# Altium PCB NIXIEClock_PCB_V3.2.PcbDoc (part 3 of 3)
Units mil, origin at the board's own origin, x right, y up, seen from the top; angles counter-clockwise.
Board outline 9842.52 x 2952.76 mil, 2 copper layers (Top Layer, Bottom Layer); 233 components, 344 nets, 1063 pads, 410 vias.
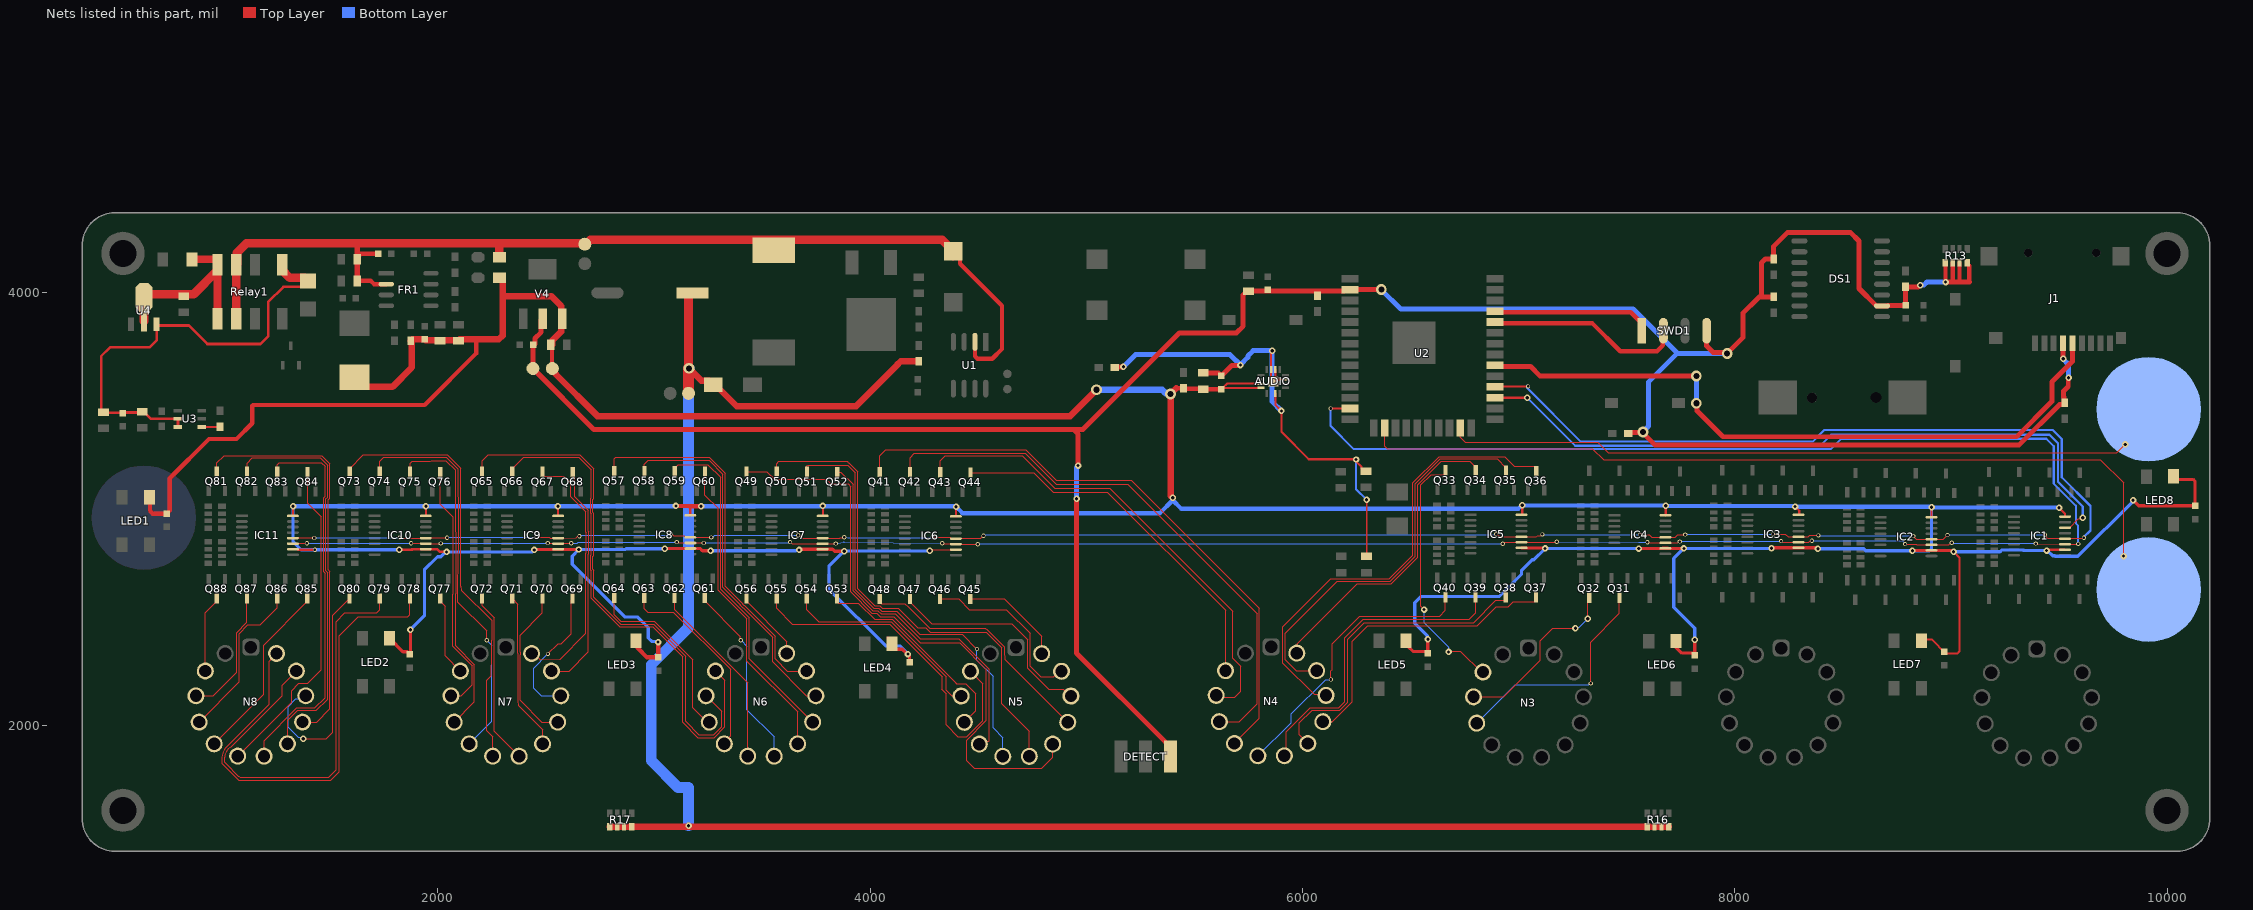
[diagram p3: the nets of this part, all layers, seen from the top]

## Via types
v1: diameter 30, hole 15, Top Layer to Bottom Layer, tented both sides, 238 vias
v2: diameter 19.68, hole 11.81, Top Layer to Bottom Layer, tented both sides, 157 vias
v3: diameter 50, hole 28, Top Layer to Bottom Layer, tented both sides, 10 vias
v4: diameter 30, hole 15, Top Layer to Bottom Layer, 3 vias
v5: diameter 70.87, hole 70.87, Top Layer to Bottom Layer, tented both sides, 1 vias
v6: diameter 62.99, hole 62.99, Top Layer to Bottom Layer, tented both sides, 1 vias

## Nets (pads, with @x,y where several pads share a name; then routed paths per layer and width w, separated by ;. In a path a pad name is that pad's centre, name@x,y a point inside that pad or via, vN(x,y) a via of type N, cw(c..) or ccw(c..) an arc to the next point about the centre after c; other vN are vias at no path point) (continued)
Q_30: N3.5 Q31.3 | length 1054.9
  Top Layer w5: v2(7333.87,2192.96) 7333.87,2383.89 7466.72,2516.75 Q31.3@7466.72,2589.33
  Bottom Layer w5: N3.5@6806.29,2009.54 6983.85,2187.1 7324.04,2187.1 7329.89,2192.96 v2(7333.87,2192.96)
Q_31: N3.4 Q32.3 | length 835.7
  Top Layer w5: N3.4@6785.96,2131.13 6930.93,2131.13 7101.23,2301.44 7101.23,2390.55 7158.92,2448.25 v1(7263.11,2448.25) ; v1(7319.92,2492.4) 7319.92,2582.14 Q32.3@7327.11,2589.33
  Bottom Layer w5: v1(7263.11,2448.25) 7267.9,2453.03 7280.56,2453.03 v1(7319.92,2492.4)
Q_32: N3.3 Q33.3 | length 1170.9
  Top Layer w5: v1(6562.64,2534.8) 6548.07,2549.37 6548.07,3111.29 6594.79,3158 6654.34,3158 6661.68,3165.35 Q33.3@6661.68,3179.12 ; v1(6676.22,2338.59) 6680.71,2343.07 6731.17,2343.07 6828.59,2245.66 N3.3@6829.4,2245.66
  Bottom Layer w5: v1(6562.64,2534.8) 6562.64,2475 6676.22,2361.41 v1(6676.22,2338.59)
Q_33: N4.13 Q34.3 | length 1441.4
  Top Layer w5: N4.13@5973.92,2333.45 5976.38,2335.9 5976.38,2377.39 6253.58,2654.6 6384.71,2654.6 6411.17,2654.6 6532.8,2776.22 6532.8,2802.69 6532.8,3111.57 6642.17,3220.94 6773.49,3220.94 6801.53,3192.9 Q34.3@6801.53,3179.12
Q_34: N4.12 Q35.3 | length 1871
  Top Layer w5: N4.12@6065.6,2252.23 5971.42,2252.23 5920.24,2303.41 5920.24,2425.92 6159.92,2665.6 6380.15,2665.6 6406.62,2665.6 6521.8,2780.78 6521.8,2807.24 6521.8,3116.13 6637.62,3231.94 6900.95,3231.94 6941.37,3191.53 Q35.3@6941.37,3177.75
Q_35: N4.11 Q36.3 | length 2159.9
  Top Layer w5: N4.11@6109.04,2137.7 6104.29,2142.45 6054.16,2142.45 5909.24,2287.36 5909.24,2455.08 6130.76,2676.6 6402.06,2676.6 6510.8,2785.33 6510.8,3120.69 6633.06,3242.94 6934.9,3242.94 6980.36,3197.49 7073.87,3197.49 7081.21,3190.15 Q36.3@7081.21,3176.37
Q_36: N4.10 Q37.3 | length 1397.1
  Top Layer w5: N4.10@6094.27,2016.1 6094.45,2016.27 6138.21,2016.27 6230,2108.06 6230,2388.71 6301.29,2460 6808.19,2460 6895.5,2547.31 6952.72,2547.31 6976.13,2570.72 7073.03,2570.72 7080.37,2578.06 Q37.3@7080.37,2591.84
Q_37: N4.9 Q38.3 | length 1482.4
  Top Layer w5: N4.9@6024.69,1915.3 5985.39,1954.6 5985.39,2011.05 6044.34,2070 6172.3,2070 6209.16,2106.85 6209.16,2397.64 6286.52,2475 6791.82,2475 6894.25,2577.43 6933.41,2577.43 6940.76,2584.77 Q38.3@6940.76,2591.84
Q_38: N4.8 Q39.3 | length 1464.6
  Top Layer w5: N4.8@5916.23,1858.38 5925.66,1867.81 5925.66,1969.8 6036.85,2081 6167.75,2081 6195.02,2108.27 6195.02,2404.79 6281.29,2491.06 6772.77,2491.06 6801.14,2519.43 Q39.3@6801.14,2591.84
Q_39: N4.7 Q40.3 | length 1324
  Top Layer w5: v2(6131.86,2211.31) 6131.86,2251.3 6137,2256.43 6137,2376.09 6265.91,2505 6635.25,2505 6661.53,2531.28 Q40.3@6661.53,2591.84
  Bottom Layer w5: N4.7@5793.75,1858.39 5947.33,2011.97 5947.33,2051.91 6106.73,2211.31 v2(6131.86,2211.31)
Q_40: N4.6 Q41.3 | length 2821.9
  Top Layer w5: Q41.3@4044.67,3171.2 4044.67,3247.33 4072.34,3275 4719.56,3275 4860.65,3133.92 5208.67,3133.92 5801,2541.59 5801,2031.01 N4.6@5685.3,1915.31
Q_41: N4.5 Q42.3 | length 2613.3
  Top Layer w5: Q42.3@4184.51,3171.2 4184.51,3238.23 4203.94,3257.65 4717.35,3257.65 4861.08,3113.92 5191.08,3113.92 5790,2515 5790,2098.11 5708.01,2016.11 N4.5@5615.72,2016.11
Q_42: N4.4 Q43.3 | length 2226.6
  Top Layer w5: Q43.3@4324.36,3169.82 4324.36,3222.58 4348.43,3246.65 4703.35,3246.65 4855.02,3094.98 5108.42,3094.98 5676.8,2526.6 5676.8,2309.86 5714.77,2271.89 5714.77,2157.27 5687.67,2130.17 5608.49,2130.17 N4.4@5600.96,2137.7
Q_43: N4.3 Q44.3 | length 1722.8
  Top Layer w5: Q44.3@4464.2,3168.44 4756.58,3168.44 4846.58,3078.44 5096.56,3078.44 5644.4,2530.6 N4.3@5644.4,2252.23
Q_44: N5.13 Q45.3 | length 482.3
  Top Layer w5: Q45.3@4463.36,2583.92 4620.54,2583.92 4793.92,2410.53 N5.13@4793.92,2330.66
Q_45: N5.12 Q46.3 | length 811.4
  Top Layer w5: Q46.3@4323.74,2583.92 4409.77,2583.92 4458.69,2535 4630,2535 4739.8,2425.2 4739.8,2272.28 4788.5,2223.58 4849.33,2223.58 4875.2,2249.44 N5.12@4885.6,2249.44
Q_46: N5.11 Q47.3 | length 1016.3
  Top Layer w5: Q47.3@4184.13,2583.92 4184.13,2570.14 4284.27,2470 4655,2470 4728.8,2396.2 4728.8,2264.13 4827.02,2165.91 4893.75,2165.91 4924.74,2134.92 N5.11@4929.04,2134.92
Q_47: N5.10 Q48.3 | length 1146.6
  Top Layer w5: Q48.3@4044.52,2583.92 4044.52,2570.14 4051.86,2562.79 4161.18,2562.79 4165.79,2558.19 4165.79,2556.77 4170.77,2551.79 4172.18,2551.79 4275.98,2448 4533.31,2448 4540.99,2441.79 4621,2361.78 4621.32,2339.79 ccw(c4655.31,2340.29) 4621.33,2339.61 4622.01,2305.58 4623.42,2304.17 N5.10@4914.27,2013.31
Q_48: N5.9 Q49.3 | length 2729.1
  Top Layer w5: Q49.3@3428.25,3173.33 3522.61,3173.33 3557.87,3138.07 3795.28,3138.07 3817.3,3116.05 3897.67,3116.05 3909.93,3103.79 3909.93,2616.74 4007.87,2518.79 4017.48,2518.79 4031.28,2518.79 4047.54,2502.54 4109.81,2502.54 4231.76,2380.59 4413.91,2380.59 4537.78,2256.72 4537.78,2021.68 4446.71,1930.61 4446.71,1835.05 4481.76,1800 4793.72,1800 4844.69,1850.97 N5.9@4844.69,1912.51
Q_49: N5.8 Q50.3 | length 2311.6
  Top Layer w5: Q50.3@3568.09,3173.33 3568.09,3210.55 3577.55,3220 3893.51,3220 3899.43,3214.08 3900.85,3214.08 3943.12,3171.8 3943.12,2630.21 4021.54,2551.79 4044.95,2551.79 4055.87,2540.88 4129.56,2540.88 4220.43,2450 4258.42,2450 4277.63,2430.79 4536.43,2430.79 4610,2357.22 4610,2098.42 4736.23,1972.19 N5.8@4736.23,1855.6
Q_50: N5.7 Q51.3 | length 2051.6
  Top Layer w5: Q51.3@3707.94,3171.95 3707.94,3200.15 3710.86,3203.08 3896.29,3203.08 3932.12,3167.24 3932.12,2625.66 4016.99,2540.79 4040.4,2540.79 4054.86,2526.33 4122.59,2526.33 4229.13,2419.79 4426.95,2419.79 v2(4494.32,2352.41) ; N5.7@4613.75,1855.6 N5.7@4613.75,1875.31
  Bottom Layer w5: v2(4494.32,2352.41) 4494.32,2300.18 4568.77,2225.73 4568.77,1987.57 4614,1942.34 4614,1855.85 N5.7@4613.75,1855.6
Q_51: N5.6 Q52.3 | length 1754.8
  Top Layer w5: Q52.3@3847.78,3170.58 3865.12,3170.58 3921.12,3114.58 3921.12,2621.1 4012.43,2529.79 4022.04,2529.79 4035.84,2529.79 4051.13,2514.5 4117.15,2514.5 4231.37,2400.28 4409.78,2400.28 4552.17,2257.89 4552.17,1927.8 4549.24,1924.87 4517.64,1924.87 N5.6@4505.3,1912.53
Q_52: N5.5 Q53.3 | length 987.6
  Top Layer w5: Q53.3@3846.93,2586.05 3846.93,2572.27 3854.28,2564.93 3946.18,2564.93 4021.11,2490 4103.33,2490 4399.58,2193.75 4399.58,2192.53 4442.5,2192.53 4488.67,2146.36 4488.67,2066.28 N5.5@4435.72,2013.33
Q_53: N5.4 Q54.3 | length 967.2
  Top Layer w5: Q54.3@3707.32,2586.05 3707.32,2535.01 3763.33,2479 4096.88,2479 4351.14,2224.74 4351.14,2161.84 4377.02,2135.96 4419.92,2135.96 N5.4@4420.96,2134.92
Q_54: N5.3 Q55.3 | length 1650
  Top Layer w5: Q55.3@3567.7,2586.05 3567.7,2540.88 3640.58,2468 4090.32,2468 4333.59,2224.74 4333.59,2168.82 4330.68,2165.91 4351.14,2145.45 4351.14,2002.23 4406.31,1947.06 4447.6,1947.06 4521.31,2020.77 4521.31,2192.53 N5.3@4464.4,2249.44
Q_55: N6.13 Q56.3 | length 331.4
  Top Layer w5: Q56.3@3428.09,2586.05 3428.09,2572.27 3613.92,2386.44 N6.13@3613.92,2331.59
Q_56: N6.12 Q57.3 | length 1729.6
  Top Layer w5: Q57.3@2816.15,3176.26 2816.15,3232.66 2823.49,3240 3256.4,3240 3329.84,3166.56 3329.84,2641.64 3409.75,2561.73 3409.75,2558.91 3414.73,2553.93 3417.56,2553.93 3560.04,2411.45 3560.04,2306.18 3615.84,2250.37 N6.12@3705.6,2250.37
Q_57: N6.11 Q58.3 | length 1658.2
  Top Layer w5: Q58.3@2955.99,3176.26 2955.99,3207.38 2973.23,3224.63 3256.22,3224.63 3318.84,3162 3318.84,2637.08 3398.75,2557.18 3398.75,2554.35 3410.17,2542.93 3413,2542.93 3549.04,2406.89 3549.04,2292.87 3705.1,2136.81 3748.08,2136.81 N6.11@3749.04,2135.85
Q_58: N6.10 Q59.3 | length 1566.4
  Top Layer w5: Q59.3@3095.83,3174.88 3095.83,3188.66 3112.8,3205.63 3249.04,3205.63 3307.84,3146.82 3307.84,2629.7 3441.32,2496.22 3441.32,2307.2 N6.10@3734.27,2014.24
Q_59: N6.9 Q60.3 | length 1437.8
  Top Layer w5: Q60.3@3235.68,3173.5 3235.68,3064.31 3296.55,3003.44 3296.55,2625.22 3430,2491.78 3430,2296.05 3664.69,2061.36 N6.9@3664.69,1913.44
Q_60: N6.8 Q61.3 | length 866.1
  Top Layer w5: Q61.3@3234.83,2588.98 3234.83,2575.2 3399.82,2410.2 3399.82,2395.04 v2(3402,2392.86)
  Bottom Layer w5: v2(3402,2392.86) 3402.83,2392.86 3430,2365.69 3430,2071.64 3556.23,1945.4 N6.8@3556.23,1856.53
Q_61: N6.7 Q62.3 | length 872.7
  Top Layer w5: Q62.3@3095.22,2588.98 3095.22,2533.61 3433.17,2195.65 3433.17,1948.41 3433.75,1947.83 N6.7@3433.75,1856.53
Q_62: N6.6 Q63.3 | length 922.3
  Top Layer w5: Q63.3@2955.6,2588.98 2955.6,2538.86 2971.16,2523.3 3089.34,2523.3 3354.77,2257.87 3354.77,1950.27 3325.3,1920.8 N6.6@3325.3,1913.46
Q_63: N6.5 Q64.3 | length 852.8
  Top Layer w5: Q64.3@2815.99,2588.98 2815.99,2511.26 2847.25,2480 3001.2,2480 3178.7,2302.5 3178.7,2081.44 3245.88,2014.26 N6.5@3255.72,2014.26
Q_64: N6.4 Q65.3 | length 2423.7
  Top Layer w5: 2204.8,3222.39 2233.41,3251 2656.25,3251 2721,3186.25 2721,3048.56 2717.74,3045.3 2717.74,2985.33 2721,2982.07 2721,2784.38 2717.74,2781.12 2717.74,2721.15 2721,2717.89 2721,2590.7 2845.7,2466 2999.64,2466 3146.5,2319.14 3146.5,2017.7 3208.21,1956 3275.66,1956 3312.42,1992.77 3312.42,2064.39 N6.4@3240.96,2135.85 ; Q65.3@2204.83,3173.33 2204.83,3222.36
Q_65: N6.3 Q66.3 | length 2385
  Top Layer w5: Q66.3@2344.68,3173.33 2344.68,3187.11 2397.57,3240 2651.7,3240 2710,3181.7 2710,3053.11 2706.74,3049.85 2706.74,2980.77 2710,2977.51 2710,2788.94 2706.74,2785.68 2706.74,2716.6 2710,2713.34 2710,2586.14 2841.14,2455 2995.08,2455 3132.62,2317.46 3132.62,2013.67 3203.38,1942.91 3278.84,1942.91 3327.67,1991.75 3327.67,2207.1 N6.3@3284.4,2250.37
Q_66: N7.13 Q67.3 | length 1196.5
  Top Layer w5: N7.13@2433.92,2331.59 2444.06,2331.59 2471.12,2304.53 2472.58,2303.07 2474.73,2303.07 2565.78,2305.78 2684.74,2424.74 2684.74,2794.79 2687,2797.05 2687,2890.68 2684.74,2892.94 2684.74,2986.57 2614.36,3056.95 2614.36,3118.08 2581.61,3150.83 2491.86,3150.83 2484.52,3158.17 Q67.3@2484.52,3171.95
Q_67: N7.12 Q68.3 | length 1070.1
  Top Layer w5: N7.12@2525.6,2250.37 2607.51,2250.37 2695.74,2338.6 2695.74,2790.24 2698,2792.49 2698,2895.24 2695.74,2897.5 2695.74,2995.42 2634.21,3056.95 2634.21,3146.95 2624.36,3156.79 Q68.3@2624.36,3170.57
Q_68: N7.11 Q69.3 | length 637.8
  Top Layer w5: v2(2509.5,2329.54) 2557.29,2377.33 2571.2,2377.33 2616.17,2422.3 2616.17,2578.7 Q69.3@2623.52,2586.05
  Bottom Layer w5: v2(2509.5,2329.54) 2443.8,2263.84 2443.8,2170.33 2478.28,2135.85 N7.11@2569.04,2135.85
Q_69: N7.10 Q70.3 | length 729.7
  Top Layer w5: Q70.3@2483.9,2586.05 2483.9,2520.18 2380.5,2416.77 2380.5,2336.84 ccw(c2433.92,2331.59) 2380.5,2326.35 2380.5,2114.5 2480.76,2014.24 N7.10@2554.27,2014.24
Q_70: N7.9 Q71.3 | length 730.3
  Top Layer w5: Q71.3@2344.29,2586.05 2370,2560.34 2370,2556.19 2369.5,2421.33 2369.24,2331.78 ccw(c2433.92,2331.59) 2369.24,2331.52 2369.5,2109.94 2371.46,2092.88 2484.69,1979.65 N7.9@2484.69,1913.44
Q_71: N7.8 Q72.3 | length 800.6
  Top Layer w5: Q72.3@2204.67,2586.05 2204.67,2553.33 2261.32,2496.68 2261.32,1971.44 N7.8@2376.23,1856.53
Q_72: N7.7 Q73.3 | length 1991.5
  Top Layer w5: Q73.3@1592.04,3173.33 1592.04,3187.11 1655.93,3251 2043.37,3251 2106.43,3187.94 2106.43,2643.44 2106.44,2643.24 2107.89,2625.21 2248.56,2484.55 2250,2483.1 2250.32,2393.43 cw(c2226.17,2393.35) 2250.32,2393.35 2250.32,2385.12 2249.75,2331.03 cw(c2196.08,2331.59) 2249.74,2330.21 2247.1,2228.02 2225.83,2206.74 2225.83,1974.15 2253.75,1946.22 N7.7@2253.75,1856.53
Q_73: N7.6 Q74.3 | length 1819.7
  Top Layer w5: Q74.3@1731.88,3173.33 1731.88,3220.96 1750.93,3240 2038.81,3240 2091.95,3186.86 2095.43,2925.52 2095.43,2796.93 2093.24,2598.82 2093.24,2569.65 2226.5,2436.39 2226.5,2409.05 v2(2226.17,2393.35)
  Bottom Layer w5: N7.6@2145.3,1913.46 2250,2018.16 2250,2369.85 2226.5,2393.35 v2(2226.17,2393.35)
Q_74: N7.5 Q75.3 | length 1513
  Top Layer w5: Q75.3@1871.73,3171.95 1871.73,3211.57 1881.11,3220.96 1965.95,3220.96 1969.46,3224.46 2035.86,3224.46 2079.52,3180.81 2080.95,3179.37 2082.24,2607.49 2082.24,2367.46 2169.49,2280.21 2169.49,2108.03 N7.5@2075.72,2014.26
Q_75: N7.4 Q76.3 | length 1163.4
  Top Layer w5: Q76.3@2011.57,3170.57 2011.57,3021.38 2068.56,2964.39 2069.95,2963 2069.95,2606.6 2069.95,2364.19 2158.49,2275.65 2158.49,2186.51 2107.83,2135.85 N7.4@2060.96,2135.85
Q_76: N7.3 Q77.3 | length 374.5
  Top Layer w5: Q77.3@2010.73,2586.05 2010.73,2572.27 2033.35,2549.64 2033.35,2321.42 N7.3@2104.4,2250.37
Q_77: N8.13 Q78.3 | length 2274.1
  Top Layer w5: N8.13@1253.92,2331.74 1219.06,2296.88 1219.06,2095.69 1029.1,1905.73 1028.95,1905.57 ccw(c1081.34,1843.07) 999.78,1843.07 999.78,1825.27 1001.25,1823.81 1080.06,1745 1505.6,1745 1544.64,1784.04 1544.64,2413.82 1632.62,2501.8 1861.73,2501.8 1871.11,2511.18 Q78.3@1871.11,2586.05
Q_78: N8.12 Q79.3 | length 2076.5
  Top Layer w5: N8.12@1345.6,2250.52 1279.53,2184.44 1279.53,2136.98 1043.7,1901.16 ccw(c1083.18,1842.72) 1013.29,1852.15 1013.29,1829.33 1019,1823.62 1077.89,1764.73 1078.4,1764.28 1079.22,1763.66 1085.73,1760 1495.32,1760 1529.35,1794.03 1529.35,2477.94 1570.57,2519.16 1717.08,2519.16 1731.5,2533.58 Q79.3@1731.5,2586.05
Q_79: N8.11 Q80.3 | length 1106.3
  Top Layer w5: N8.11@1372.32,2135.99 N8.11@1389.04,2135.99 ; v4(1377,1937.4) 1484.26,1937.4 1514.72,1967.87 1514.72,2508.88 Q80.3@1591.88,2586.05
  Bottom Layer w5: v4(1377,1937.4) 1370.24,1937.4 1363.47,1944.17 1353.59,1944.17 1307.62,1990.15 1307.62,2085.87 1343.63,2121.88 1374.93,2121.88 N8.11@1389.04,2135.99
Q_80: N8.10 Q81.3 | length 1885.4
  Top Layer w5: Q81.3@977.65,3173.33 977.65,3213.29 1011.96,3247.6 1462.42,3247.6 1501,3209.02 1501,3049.73 1493.63,3042.37 1493.63,2718.22 1501,2710.86 1501,2075.02 1440.37,2014.38 N8.10@1374.27,2014.38
Q_81: N8.9 Q82.3 | length 1857.7
  Top Layer w5: Q82.3@1117.5,3173.33 1117.5,3211.57 1142.53,3236.6 1456.01,3236.6 1490,3202.6 1490,3054.29 1482.63,3046.93 1482.63,2713.66 1490,2706.3 1490,2120.5 1438.5,2069 1352,2069 1304.69,2021.69 N8.9@1304.69,1913.59
Q_82: N8.8 Q83.3 | length 1779.2
  Top Layer w5: N8.8@1196.23,1856.67 1196.23,1928.79 1347.44,2080 1431.26,2080 1479,2127.74 1479,2701.74 1471.63,2709.11 1471.63,3051.48 1479,3058.85 1479,3197.11 1461.04,3215.07 1372.6,3215.07 1371.99,3214.46 1266.57,3214.46 1257.34,3205.24 Q83.3@1257.34,3171.95
Q_83: N8.7 Q84.3 | length 1524
  Top Layer w5: N8.7@1073.75,1856.67 1323.24,2106.16 1323.24,2160 1356.2,2192.96 1397.31,2192.96 1460,2255.65 1460,2964.17 1397.18,3026.99 Q84.3@1397.18,3170.58
Q_84: N8.6 Q85.3 | length 851
  Top Layer w5: N8.6@965.3,1913.6 1194.35,2142.65 1194.35,2370.28 1396.34,2572.27 Q85.3@1396.34,2586.05
Q_85: N8.5 Q86.3 | length 754.4
  Top Layer w5: N8.5@895.72,2014.4 1081.25,2199.93 1081.25,2424.09 1121.04,2463.87 1177.8,2463.87 1256.73,2542.8 Q86.3@1256.73,2586.05
Q_86: N8.4 Q87.3 | length 594.4
  Top Layer w5: N8.4@880.96,2135.99 960.4,2135.99 1070.25,2245.84 1070.25,2428.64 1117.11,2475.5 Q87.3@1117.11,2586.05
Q_87: N8.3 Q88.3 | length 357.5
  Top Layer w5: N8.3@924.4,2250.52 924.4,2519.16 977.5,2572.27 Q88.3@977.5,2586.05
Q_ALL: R7.1 U3.1 | length 85.4
  Top Layer w10: U3.1@908,3380.1 992.1,3380.1 R7.1@993,3381
RXD: SWD1.2 U2.34 | length 906.3
  Top Layer w20: U2.34@6890,3860 7340,3860 7470,3730 7640,3730 7667.6,3757.6 7667.6,3817.6 SWD1.2@7670,3820
SCLK: J1.5 U2.30 | length 3180.3
  Top Layer w23: U2.30@6890,3660 7055,3660 7100,3615 v3(7822.28,3615) ; v3(7822.28,3489.41) 7825.51,3486.18 7825.51,3454.49 7945.68,3334.32 9303.96,3334.32 9467.46,3497.82 9467.46,3588.36 9562.24,3683.15 J1.5@9562.24,3766.61
  Bottom Layer w23: v3(7822.28,3489.41) v3(7822.28,3615)
SIN: IC1.14 U2.27 | length 3227.3
  Top Layer w5: IC1.14@9527.98,2914.09 9549.64,2914.09 9589.89,2954.34 9605.03,2954.34 v1(9609.82,2959.12)
  Top Layer w10: U2.27@6890,3515 v1(7039.52,3515)
  Bottom Layer w10: v1(7039.52,3515) 7261.58,3292.94 8395.76,3292.94 8446.23,3343.41 9455.94,3343.41 9495.15,3304.2 9495.15,3126.22 9609.82,3011.55 v1(9609.82,2959.12)
TGND: AUDIO.2 AUDIO.3 AUDIO.11 AUDIO.15 AUDIO.17 C31.2 C32.2 C33.2 C34.2 R0.2 | length 2676.6
  Top Layer w6: C34.2@6296.79,2780.85 v1(6296.79,3042.92)
  Top Layer w10: v1@5855.16,3722.46 AUDIO.3@5855.16,3646.1 5855.16,3599.84 AUDIO.17@5865,3590 AUDIO.17@5874.84,3599.84 ; AUDIO.11@5874.84,3533.9 5874.84,3481.75 v1(5902.78,3453.81) 5902.78,3356.93 6029.47,3230.25 6246.8,3230.25 6246.8,3221.5 6273.36,3194.93 6273.36,3187.43 6285.86,3174.93 C33.2@6293.36,3174.93 ; AUDIO.2@5874.84,3646.1 AUDIO.17@5874.84,3599.84 ; AUDIO.15@5921.1,3599.84 AUDIO.17@5874.84,3599.84
  Top Layer w23: R0.2@5131.02,3655.19 5132.74,3656.91 5170.71,3656.91 v1(5172.05,3658.25) ; C32.2@5541.19,3629.89 5610.7,3629.89 C31.2@5625,3615.59 5674.07,3664.66 5711.85,3664.66 v1(5713.19,3666)
  Bottom Layer w10: v1(6247.83,3229.08) 6247.83,3091.88 v1(6296.79,3042.92)
  Bottom Layer w23: v1(5172.05,3658.25) 5227.9,3714.11 5665.08,3714.11 v1(5713.19,3666) 5713.19,3667.89 5747.06,3701.76 5747.06,3707.84 5771.93,3732.72 v1(5860,3732.72) 5860,3496.59 v1(5902.78,3453.81)
TOUCH1: 1.P U2.23 | length 3165.4
  Top Layer w5: U2.23@6730.35,3375.63 6731.04,3374.95 6731.04,3331.69 6754.32,3308.41 7367.02,3308.41 7415.42,3260 9767.4,3260 v1(9806.4,3299)
TOUCH2: 2.P U2.16 | length 3911.6
  Top Layer w5: U2.16@6380.35,3375.63 6380.35,3290.81 6391.77,3279.39 7341.41,3279.39 7392.8,3228 9690.96,3228 9798.57,3120.39 v1(9798.57,2782.43)
TUBE_RCK: IC1.12 IC2.12 IC3.12 IC4.12 IC5.12 IC6.12 IC7.12 IC8.12 IC9.12 IC10.12 IC11.12 U2.28 | length 11690.8
  Top Layer w5: IC11.12@1329.66,2865.53 1330.18,2866.05 v2(1428.64,2866.05) ; v2(1823.16,2867.6) 1825.28,2865.48 1878.81,2865.48 1878.98,2865.32 IC10.12@1943.84,2865.32 ; IC10.12@1943.94,2865.43 1945.08,2866.57 2041.92,2866.57 v2(2042.95,2867.6) ; v2(2456.96,2870.06) 2515.42,2870.06 2519.95,2865.53 IC9.12@2556.84,2865.53 2578.49,2865.53 2640.92,2866.79 2648.5,2874.37 v2(2655.26,2874.37) ; v2(3077.66,2883.25) 3084.42,2883.25 3091.13,2876.54 3140.17,2876.54 3148.25,2868.46 IC8.12@3168.16,2868.46 3168.26,2868.56 3265.14,2868.56 v2(3265.24,2868.66) ; v2(3667.3,2878.33) 3673.47,2878.33 3686.3,2865.5 IC7.12@3780.23,2865.5 ; IC7.12@3780.26,2865.53 3860.1,2865.53 3862.6,2868.03 3878.12,2868.03 v2(3879.95,2869.86) ; v2(4288.07,2869.66) 4368.69,2869.66 4374.95,2863.4 IC6.12@4396.68,2863.4 4416.32,2863.4 4416.32,2863.71 4510.81,2865.22 4521.36,2875.77 v2(4524.42,2875.77) ; v2(6895.74,2884.12) 6901.97,2884.12 6914.76,2871.32 7014.3,2871.32 7014.3,2870.72 7018.44,2870.72 7080.81,2871.79 7082.26,2871.79 7087.97,2877.5 7105.49,2877.5 v2(7110.27,2882.28) ; v2(7561.32,2881.61) 7605.57,2881.61 7617.08,2870.1 7675.78,2869.46 7679.27,2869.46 IC4.12@7679.93,2869.46 ; IC4.12@7679.27,2868.81 7723.74,2868.81 7736.54,2881.61 v2(7771.27,2881.61) ; v2(8176.58,2884.36) 8234.35,2884.36 8246.58,2872.14 8272.87,2871.57 8340.55,2871.57 8346.93,2877.96 v2(8386.88,2877.96) ; v2(8825.59,2874.64) 8825.59,2874.11 8839.18,2860.52 8909.14,2860.52 IC2.12@8910.17,2859.49 8964,2859.49 v2(8984.17,2879.66) ; v2(9435.06,2880.9) 9435.06,2876.93 9442.9,2869.09 9442.9,2867.75 9446.44,2864.21 9526.68,2864.21 IC1.12@9527.98,2862.91 9529.29,2864.21 9611.96,2864.21 v2(9615.14,2867.39)
  Top Layer w10: U2.28@6890,3565 6892.07,3567.07 v2(7044.02,3567.07)
  Bottom Layer w5: v2@1429.16,2866.57 1429.42,2866.83 1822.39,2866.83 v2(1823.16,2867.6) ; v2(2042.95,2867.6) 2044.18,2868.83 2455.73,2868.83 v2(2456.96,2870.06) ; v2(2655.26,2874.37) 2659.71,2878.81 3073.22,2878.81 v2(3077.66,2883.25) ; v2(3265.24,2868.66) 3271,2868.66 3280.67,2878.33 v2(3667.3,2878.33) ; v2(3879.95,2869.86) 3895.65,2867.6 3899.79,2867.6 4286.01,2867.6 v2(4288.07,2869.66) ; v2(4524.42,2875.77) 4528.59,2879.95 6891.57,2879.95 v2(6895.74,2884.12) ; v2(7110.27,2882.28) 7110.61,2881.95 7560.98,2881.95 v2(7561.32,2881.61) ; v2(7771.27,2881.61) 7772.65,2882.99 8175.2,2882.99 v2(8176.58,2884.36) ; v2(8386.88,2877.96) 8388.54,2876.3 8823.93,2876.3 v2(8825.59,2874.64) ; v2(8984.17,2879.66) 8984.79,2880.28 9434.44,2880.28 v2(9435.06,2880.9)
  Bottom Layer w10: v2@7039.52,3570 7038.9,3569.38 7038.9,3561.1 7288.08,3311.92 8360.45,3311.92 8414.46,3365.93 9470.96,3365.93 9512.91,3323.99 9512.91,3146.95 9645.67,3014.18 9645.67,2901 9615.14,2870.47 v2(9615.14,2867.39)
TUBE_SCK: IC1.11 IC2.11 IC3.11 IC4.11 IC5.11 IC6.11 IC7.11 IC8.11 IC9.11 IC10.11 IC11.11 U2.13 | length 12398.4
  Top Layer w5: IC11.11@1329.66,2839.94 1330.24,2840.51 1393.21,2840.51 v2@1393.79,2841.08 ; v2(1876.19,2841.33) 1896.03,2841.08 1942.9,2841.08 IC10.11@1944.05,2839.94 1944.41,2840.3 2013.39,2840.3 v2(2013.75,2840.66) ; v2(2508.89,2842.44) 2510.14,2841.19 2555.59,2841.19 IC9.11@2556.84,2839.94 2557.82,2840.92 2616.85,2840.92 v2(2617.83,2841.91) ; v2(3105.22,2847.18) 3109.19,2847.18 3113.5,2842.87 v2(3229.72,2842.87) ; v2(3629.81,2846.86) 3633.79,2846.86 3640.71,2839.94 IC7.11@3780.26,2839.94 ; IC7.11@3780.29,2839.98 v2(3841,2840.01) ; v2(4333.59,2841.37) 4335.85,2839.11 4395.38,2839.11 4396.86,2837.63 4497.82,2837.63 v2(4498,2837.44) ; v2(6926.55,2839.83) 6930.52,2839.83 6936.43,2845.73 IC5.11@7013.69,2845.73 7015,2847.04 7174.7,2847.04 v2(7176.79,2849.13) ; v2(7596.06,2846.19) 7597.72,2844.52 7677.97,2844.52 IC4.11@7679.27,2843.22 7737.31,2843.22 7743.29,2849.2 v2(7745.82,2849.2) ; v2(8214.17,2851.87) 8218.15,2851.87 8222.73,2847.28 8293.22,2847.28 IC3.11@8294.53,2845.98 8343.03,2845.98 8350.05,2853 v2(8356.81,2853) ; v2(8787.84,2837.69) 8838.75,2837.69 8842.55,2833.89 IC2.11@8910.17,2833.89 8989.76,2833.89 8999.69,2843.82 v2(9003.66,2843.82) ; v2(9392.67,2839.96) 9524.22,2837.69 9527.61,2837.69 9527.61,2837.32 IC1.11@9527.98,2837.32 9528.67,2838 9588.24,2838 v2(9588.93,2838.69)
  Top Layer w10: v2(6130,3465) U2.13@6220.71,3465
  Bottom Layer w5: v2(1394.36,2841.66) v2@1875.86,2841.66 ; v2(2013.75,2840.66) 2014.64,2841.55 2508,2841.55 v2(2508.89,2842.44) ; v2(2617.83,2841.91) 2645.42,2841.91 2650.69,2847.18 v2(3105.22,2847.18) ; v2(3229.72,2842.87) 3231.36,2844.51 3627.46,2844.51 v2(3629.81,2846.86) ; v2(3841,2840.01) 3876.2,2845.37 cw(c3880.61,2816.4) 3880.89,2845.71 v2(4333.59,2841.37) ; v2(4498,2837.44) 4499.19,2838.64 6925.35,2838.64 v2(6926.55,2839.83) ; v2(7176.79,2849.13) 7555.39,2846.61 ccw(c7555.52,2870.11) 7555.51,2846.61 7595.63,2846.61 v2(7596.06,2846.19) ; v2(7745.82,2849.2) 7748.49,2851.87 v2(8214.17,2851.87) ; v2(8356.81,2853) 8775.08,2853 8787.84,2840.24 v2(8787.84,2837.69) ; v2(9003.66,2843.82) 9005.59,2841.89 9390.74,2841.89 v2(9392.67,2839.96)
  Bottom Layer w10: v2(6130,3465) 6130,3385 6238.06,3276.94 8444.76,3276.94 8492.81,3325 9441.7,3325 9475.67,3291.03 9475.67,3117.36 9578.01,3015.02 9578.01,2933.63 9588.49,2923.14 9588.49,2839.13 v2(9588.93,2838.69)
TXD: SWD1.1 U2.35 | length 735.1
  Top Layer w20: U2.35@6890,3910 7518.98,3910 7570,3858.98 SWD1.1@7570,3825
V3.3: C18.2 C19.1 C20.1 C21.1 DETECT.1 DS1.2 J1.4 R8.2 R9.2 R10.2 R11.2 R12.2 R13.1 R13.2 R13.3 R13.4 R14.2 SWD1.4 U2.2 V3.3.1 V4.2 | length 13445
  Top Layer w20: R13.1@8973.86,4140 8975,4138.86 v1@8975,4055 ; R13.2@9008.5,4140 9008.5,4051.5 9010,4050 ; 9040,4050 R13.3@9040,4140 ; R13.4@9074.65,4140 9074.65,4135.08 9085,4124.72 9085,4050
  Top Layer w23: V4.2@2485,3880.83 2478.05,3873.88 2478.05,3818.05 2449.65,3789.65 2449.65,3763.5 2446.15,3760 2443.5,3760 2440,3756.5 V3.3.1@2440,3650 2721.92,3368.08 4941.53,3368.08 ; v1(4955,3047.07) 4955,2332.76 5369.26,1918.5 5371.5,1918.5 5390,1900 DETECT.1@5390,1855 ; v1(4962,3201) 4962,3347.61 4941.53,3368.08 ; C19.1@5750,4007.6 5742.5,4007.6 5725.6,3990.69 5725.6,3845.6 5695,3815 5431.26,3815 4984.34,3368.08 4941.53,3368.08 ; C19.1@5751,4008.6 5833.5,4008.6 5835.27,4010.37 C20.1@5841,4010.37 ; C20.1@5841,4008.6 5913.13,4008.6 6070,4008.6 ; R8.2@6070,3986.5 6070,4008.6 ; v3(6365,4015) U2.2@6220.71,4015 6199.05,4015 6192.65,4008.6 6070,4008.6 ; R9.2@7506.5,3350 7509.96,3353.46 7571.54,3353.46 v3(7575,3356.92) ; v3@7576.97,3350 7630.05,3296.92 9316.17,3296.92 9502.01,3482.76 9522.43,3482.76 9526.68,3487.01 R14.2@9526.68,3491.26 9522.43,3495.51 9522.43,3518.54 9521.86,3519.11 9521.86,3546 9542.83,3566.98 9542.83,3605.66 v1(9544.17,3607) ; SWD1.4@7870,3825 7870,3754.2 7900.13,3724.07 7960.93,3724.07 v3(7965,3720) 8037.58,3792.58 8037.58,3906.06 8105,3973.47 8113.03,3981.5 R11.2@8180,3981.5 ; 8123.17,3981.5 8123.17,4138.17 8141.5,4156.5 R10.2@8180,4156.5 8180,4215 8245,4280 8535,4280 8575,4240 8575,4020.35 8655.35,3940 DS1.2@8680.94,3940 8706.7,3940 8707.29,3940.59 C21.1@8780,3940.59 ; C21.1@8790.61,3943.35 R12.2@8790.61,4027.82 8848.74,4027.82 8856.62,4035.7 v1(8858.52,4035.7) ; v1@8975,4055 v1(8975,4050) 9010,4050 9040,4050 9085,4050 ; J1.4@9518.94,3766.61 9519.47,3766.08 v1(9519.47,3695.53)
  Bottom Layer w23: v1(4955,3047.07) 4955,3192.1 4962,3199.1 v1(4962,3201) ; v3(6365,4015) 6455,3925 7530,3925 7735,3720 ; v3(7575,3356.92) 7601.97,3383.89 7601.97,3588.4 7733.57,3720 7735,3720 ; v3(7965,3720) 7735,3720 ; v1(8858.52,4035.7) 8859.86,4037.04 8876.38,4037.04 8889.35,4050 8973.11,4050 v1@8973.66,4050.55 ; v1@9519.47,3693.64 9544.17,3668.93 v1(9544.17,3607)
V5: AUDIO.7 AUDIO.8 C5.2 C8.2 C9.2 C17.2 C23.2 C24.2 C25.2 C26.2 C27.2 C28.2 C29.2 C30.2 C31.1 C32.1 IC1.10 IC1.16 IC2.10 IC2.16 IC3.10 IC3.16 IC4.10 IC4.16 IC5.10 IC5.16 IC6.10 IC6.16 IC7.10 IC7.16 IC8.10 IC8.16 IC9.10 IC9.16 IC10.10 IC10.16 IC11.10 IC11.16 L2.2 LED1.1 LED2.1 LED3.1 LED4.1 LED5.1 LED6.1 LED7.1 LED8.1 LED_V5.1 R5.2 R15.1 V4.3 V5.1 | length 28837.7
  Top Layer w5: IC11.16@1329.66,2967.89 IC11.16@1330.29,2968.51 ; IC10.16@1944.05,2967.89 IC10.16@1945.08,2968.93 ; IC9.16@2555.54,2969.2 IC9.16@2556.84,2967.89 ; LED3.1@2917.18,2390.76 2924.51,2383.44 2924.51,2357.01 ; v1@4284.65,2812.22 IC6.10@4396.68,2812.22 ; IC2.16@8910.17,2961.85 IC2.16@8910.55,2962.22
  Top Layer w10: IC11.10@1329.66,2814.35 1351.81,2814.35 1354.35,2811.81 v2@1431,2811.81 ; IC11.16@1330.29,2968.51 v1(1330.29,3012.38) ; IC10.16@1945.08,2968.93 v1(1945.08,3012.38) ; IC9.16@2555.54,2969.2 v1(2555.54,3012.38) ; IC8.16@3168.16,2970.82 3168.16,3008.38 ; IC7.16@3781.32,2968.73 v1(3781.32,3014.17) ; IC6.16@4397.58,2965.76 v1(4397.58,3010.25) ; C31.1@5625,3554.41 5625.34,3554.75 C31.1@5631.06,3560.47 ; AUDIO.8@5808.9,3560.47 C31.1@5631.06,3560.47 ; AUDIO.7@5808.9,3580.16 5660.16,3580.16 5660,3580 5650.59,3580 C31.1@5631.06,3560.47 ; IC5.16@7013.69,2973.69 7016.59,2976.59 v1(7016.59,3017.45) ; IC4.16@7679.27,2971.17 7680.49,2972.39 v1(7680.49,3015.66) ; v1(8278.84,3011.55) 8298.72,2991.66 8298.72,2977.08 8297.67,2977.08 IC3.16@8294.53,2973.93 ; LED7.1@8865.73,2401.23 8870.18,2396.79 8911.01,2396.79 8976.85,2330.95 9022.67,2330.95 9028.89,2330.95 9039.84,2341.91 9039.84,2774.53 v1(9012.49,2801.88) 9008.43,2801.88 v1@9002.01,2808.3 ; IC2.16@8910.55,2962.22 v1(8910.55,3008.13) ; v1(9442.57,2807.86) 9446.09,2811.38 9527.64,2811.38 IC1.10@9527.98,2811.73 ; v1(9500.42,3006.34) 9527.98,2978.78 IC1.16@9527.98,2965.27
  Top Layer w12: v1(1821.64,2811.16) 1880.5,2811.16 ; 1880.5,2813.68 1897.82,2813.68 1898.49,2814.35 IC10.10@1944.05,2814.35 1996.52,2814.35 2009.34,2801.53 v1(2040.34,2801.53)
  Top Layer w15: LED2.1@1776.87,2409.43 1776.87,2401.56 1838.46,2339.97 1858.61,2339.97 C24.2@1871.11,2327.47 1873.18,2329.54 v1(1873.18,2441.89) ; v1(2446.6,2810.74) 2454.52,2813.07 2482.56,2813.28 IC9.10@2558.43,2813.28 ; IC9.10@2558.43,2812.75 v1(2652.26,2812.75) ; v1(3049.34,2816) 3050.62,2817.28 IC8.10@3168.16,2817.28 3214.09,2817.28 3223.93,2807.44 v1(3262.03,2807.44) ; 3164.32,3012.21 3168.16,3008.38 ; v1(3671.06,2810.63) 3675.12,2810.63 3678.84,2814.35 IC7.10@3780.26,2814.35 3826.36,2814.35 3836.06,2804.65 v1(3879.95,2804.65) ; LED4.1@4083.15,2403.05 4101.24,2384.96 LED4.1@4101.24,2377.47 4101.24,2369.6 4119.33,2351.51 4148.74,2351.51 4171.07,2329.17 v1(4175.13,2329.17) ; v1@4181.56,2318.69 4181.56,2293.17 C26.2@4184.13,2290.6 ; LED5.1@6480.35,2409.43 6488.15,2401.63 6488.15,2365.96 6513.67,2340.45 6571.81,2340.45 C27.2@6580.22,2332.03 6580.22,2397.5 v1(6580.35,2397.64) ; IC5.10@7013.69,2820.14 7119.61,2820.14 v1(7122.3,2817.45) ; v1(7555.52,2817.3) 7604.84,2816.8 7628.79,2816.8 7666.85,2818.1 IC4.10@7691.7,2818.1 ; IC4.10@7691.7,2817.72 7764.65,2817.72 v1(7764.73,2817.8) ; LED6.1@7727.96,2409.43 LED6.1@7727.96,2389.47 7727.96,2361.37 7755.79,2333.54 7803.81,2333.54 C28.2@7814.89,2322.47 7815,2322.58 v1(7815,2395.56) ; v1(8170,2818.05) 8172.33,2820.39 IC3.10@8294.53,2820.39 8376.36,2820.39 8380.85,2815.9 v1(8384.9,2815.9) ; v1(8822.06,2807.41) IC2.10@8909.73,2807.86 ; IC2.10@8910.17,2808.3 v1@9002.01,2808.3 ; v1(9842.57,3040.59) 9868.36,3014.79 C30.2@10129.22,3014.79 ; LED8.1@10030.43,3150.58 10044.18,3136.83 10120.44,3136.83 10129.22,3128.04 C30.2@10129.22,3014.79 ; C30.2@10129.37,3014.64 C30.2@10129.22,3014.79
  Top Layer w20: LED1.1@656.31,3054.51 LED1.1@666.47,3054.51 ; LED1.1@665.47,3055.51 LED1.1@666.47,3054.51 ; 2192,3785 2177.27,3770.27 2177.27,3719.17 1939.6,3481.5 1145.06,3481.5 1141.71,3478.15 1141.71,3396.97 1068.42,3323.67 941.18,3323.67 760,3142.5 760,2993.8 C23.2@745,2978.8 681.44,2978.8 668.2,2992.04 668.2,3052.77 LED1.1@666.47,3054.51 ; C17.2@2528.5,3760 2528,3759.5 2528,3652 V5.1@2530,3650 ; 2924.51,2357.01 2967.78,2313.73 C25.2@3019.08,2313.73 v1(3019.08,2384.54) ; v1(3101.63,3014.17) 3162.36,3014.17 3164.32,3012.21 3216.85,3012.21 v1(3217.75,3013.11) ; 5415.78,3558.5 R15.1@5450,3558.5 5451.71,3556.79 5539.48,3556.79 C32.1@5541.19,3555.08 5541.52,3554.75 5624.66,3554.75 C31.1@5625,3554.41
  Top Layer w30: L2.2@1615,3610.35 1659.06,3566.3 1685.17,3566.3 1686.47,3565 1790,3565 1880,3655 1880,3773.85 R5.2@1875,3778.85 1880.91,3784.76 C5.2@1940,3784.76 1943.4,3781.36 2091.59,3781.36 C8.2@2095,3777.96 2102.04,3785 2192,3785 2282.43,3785 2300,3802.57 2300,4060 2290,4070 LED_V5.1@2285,4070 ; 2315,3985 2525,3985 2570.87,3939.13 2570.87,3885.51 V4.3@2575.55,3880.83 2570.87,3876.14 2570.87,3820.87 2528.5,3778.5 C17.2@2528.5,3760 ; V5.1@2530,3650 2530,3641.88 2545,3626.88 2545,3623.58 2738.58,3430 4925.91,3430 v3(5047.64,3551.73) ; v1(5400.07,3051.94) 5390,3062.02 v3(5390,3532.72) 5415.78,3558.5
  Bottom Layer w15: v1(1330.29,3012.38) 1330.29,2848.2 1367,2811.48 v2(1431.32,2811.48) ; v2@1431.65,2811.16 1431.81,2811.32 1821.48,2811.32 v1(1821.64,2811.16) ; v1(1873.18,2441.89) 1938,2506.71 1938,2718.96 1998.63,2779.59 2014.34,2779.59 2036.28,2801.53 v1(2040.34,2801.53) 2437.39,2801.53 v1(2446.6,2810.74) ; v1(3019.08,2384.54) 3016.21,2387.41 2989.03,2387.41 2973.23,2403.21 2973.23,2451.77 2925,2500 2866.36,2500 2622,2744.36 2622,2782.49 v1(2652.26,2812.75) 2867.73,2812.75 2870.97,2816 v1(3049.34,2816) ; v1(3262.03,2807.44) v1@3657.26,2807.44 ; v1(4175.13,2329.17) 4175.13,2329.44 4138.11,2366.45 4072.48,2366.45 3809.53,2629.41 3809.53,2735.76 3878.42,2804.65 v1(3879.95,2804.65) 3890.85,2804.65 v1(4275.8,2807.44) ; v1(6580.35,2397.64) 6577.48,2400.51 6577.48,2413.94 6520,2471.42 6520,2567.07 6547.93,2595 6909.29,2595 7013.57,2699.28 7013.57,2716.64 7062.54,2765.61 7070.46,2765.61 v1(7122.3,2817.45) 7122.63,2817.77 7555.05,2817.77 v1(7555.52,2817.3) ; v1(7815,2395.56) 7815,2448.25 7718.23,2545.02 7718.23,2771.29 v1(7764.73,2817.8) 8169.75,2817.8 v1(8170,2818.05) ; v1(8384.9,2815.9) 8596.98,2815.9 8605.47,2807.41 v1(8822.06,2807.41) 8901.25,2807.41 8910.55,2816.71 v1(8910.55,3008.13) ; v1(9012.49,2801.88) 9227.36,2801.88 9236.28,2810.8 9334.49,2810.8 9337.43,2807.86 v1(9442.57,2807.86) 9446.43,2807.86 9471.02,2783.27 9481.62,2783.27 9482.93,2781.96 9587.64,2781.96 9842.57,3036.89 v1(9842.57,3040.59)
  Bottom Layer w20: v1(1330.29,3012.38) v1(1945.08,3012.38) v1(2555.54,3012.38) 2556.43,3013.28 3100.73,3013.28 v1(3101.63,3014.17) ; v1(3217.75,3013.11) 3780.26,3013.11 v1(3781.32,3014.17) 3783.28,3012.21 4395.62,3012.21 v1(4397.58,3010.25) 4426.89,2980.94 5340.41,2980.94 v1@5400.07,3040.6 ; v1(5400.07,3051.94) v1@5400.07,3040.6 ; v1(9500.42,3006.34) 9499.53,3007.23 8911.45,3007.23 v1(8910.55,3008.13) 8908.84,3009.84 8280.55,3009.84 v1(8278.84,3011.55) 8276.78,3013.61 7682.55,3013.61 v1(7680.49,3015.66) 7679.6,3016.56 7017.49,3016.56 v1(7016.59,3017.45) 7015.47,3017.45 6999.88,3001.86 5438.82,3001.86 v1@5400.07,3040.6
  Bottom Layer w30: v3(5047.64,3551.73) 5351.45,3551.73 v3@5366.64,3536.54
V5_S: C11.2 C12.2 C13.1 D1.2 Relay1.1 U3.5 U3.6 U4.3 | length 2142.1
  Top Layer w12: U3.6@798,3380.1 U3.5@798,3417.5 672.91,3417.5 640.51,3449.9 C11.2@633.01,3449.9 629.61,3446.49 546.41,3446.49 C13.1@543,3443.09 540.37,3445.72 455.64,3445.72 C12.2@453.01,3448.36 442.93,3458.44 442.93,3707.06 483.88,3748.01 666.76,3748.01 699.06,3780.31 U4.3@699.06,3854.13 704.06,3849.13 848,3849.13 933.63,3763.5 1179.47,3763.5 1214.82,3798.85 1214.82,3957.32 1285,4027.5 1372.5,4027.5 D1.2@1400,4055
  Top Layer w40: Relay1.1@1280,4130 1280,4104.41 1314.41,4070 1385,4070 D1.2@1400,4055
V12: C2.1 C6.2 C7.2 FR1.2 L1.1 LED_V12.1 R4.1 Relay1.3 Relay1.6 U1.2 V12.1 | length 4985.5
  Top Layer w20: C7.2@1627.4,4055.35 1690,4055.35 1705,4040.35 FR1.2@1761.65,4040.35 ; C6.2@1627.4,4162.85 1644.9,4180.35 R4.1@1724.41,4180.35 ; C2.1@4385,4165 4410.27,4165 4415.47,4159.8 4415.47,4134.53 4610,3940 4610,3740 4565,3695 4496.72,3695 4485,3706.72 U1.2@4485,3773.27
  Top Layer w24: C7.2@1627.4,4055.35 C6.2@1627.4,4155.35 1627.4,4162.85 1627.4,4230
  Top Layer w30: C2.1@4385,4165 C2.1@4385,4193.11
  Top Layer w40: Relay1.3@1067.4,4130 1071.02,4133.62 1071.02,4186.02 1115,4230 1627.4,4230 2285,4230 ; Relay1.6@1068.1,3877.12 1067.4,3877.82 Relay1.6@1067.4,3880 1067.4,4129.52 Relay1.3@1069,4131.12 ; LED_V12.1@2285,4165 2285,4230 ; V12.1@2680,4225 2685.41,4225 2705.41,4245 L1.1@3560,4245 ; V12.1@2680,4230 2285,4230 ; L1.1@3555,4196.57 3560,4201.57 L1.1@3560,4245 ; C2.1@4385,4193.11 4333.11,4245 L1.1@3560,4245
V12_ALL: C15.1 F1.2 Relay1.4 Relay1.5 U4.2 | length 864.3
  Top Layer w35: F1.2@862.5,4155 Relay1.4@974.67,4155 ; Relay1.5@980.88,3879.62 980.79,3879.71 Relay1.5@980.79,3880 980.79,4104.41 980.79,4129.52 Relay1.4@980.88,4129.62
  Top Layer w40: U4.2@637.4,3990 637.4,3991.5 639.9,3994 870.38,3994 Relay1.4@980.79,4104.41 ; U4.2@640,3869 640.5,3869.5 640.5,3978.5 U4.2@641,3979
VH: E1.1 R2.2 R16.1 R16.2 R16.3 R16.4 R17.1 R17.2 R17.3 R17.4 VD1.2 VH.1 | length 8923
  Top Layer w30: R17.1@2795.35,1530 R17.2@2830,1530 R17.3@2861.5,1530 R17.4@2896.14,1530 3155,1530 v1(3160,1535) 3165,1530 R16.1@7594.61,1530 R16.2@7629.25,1530 R16.3@7660.75,1530 R16.4@7695.39,1530 ; v3(3162.31,3650.9) 3218.76,3594.45 3255,3594.45 VD1.2@3274.45,3575 3283.31,3575 3383.31,3475 3935,3475 4124.55,3664.55 4124.55,3665.93 4142.13,3683.5 R2.2@4225,3683.5
  Top Layer w40: v3@3160.39,3648.99 3160.39,3655.52 3160,3655.91 3160,3994.76 3165.24,4000 E1.1@3203.7,4000
  Top Layer w50: v3@3159.29,3650.9 3159.29,3632.81 3159.29,3535.71 VH.1@3160,3535
  Bottom Layer w50: v1(3160,1535) 3160,1712 3111.71,1712 2987.4,1836.31 2987.4,2279.59 3160,2452.19 3160,3648.59 v3(3162.31,3650.9)
pads on no net: AUDIO.5 AUDIO.6 AUDIO.12 AUDIO.13 BT1.0 DS1.1 DS1.3 FR1.6 IC11.9 J1.9 J1.10 LED8.2 N1.2 N2.2 N3.2 N4.2 N5.2 N6.2 N7.2 N8.2 Relay1.2 Relay1.7 T0. T1. T2. T3. U2.4 U2.5 U2.7 U2.8 U2.9 U2.17 U2.18 U2.19 U2.20 U2.21 U2.22 U2.24 U2.29 U2.32 U3.4 V4.4

## Polygon pours and split planes (outlines as drawn)
DGND on Bottom Layer "DGND_L02_P004" (solid, remove dead copper, pour order 4): 5158.77,3290 5158.77,4370 355,4370 355,3290
DGND on Bottom Layer "DGND_L02_P010" (hatched Horizontal grid 50 track 6, remove dead copper, pour order 10): 9432.32,4001.81 9460.51,4030 10197.52,4030 10197.52,1954.61 9363.84,1954.61 9363.84,3907.43 9455.94,3999.53
DGND on Bottom Layer "DGND_L02_P000" (solid, remove dead copper, pour order 0): 9528.2,2560.76 9580.71,2530.3 9635.24,2405.26 9752.21,2413.44 9872.16,2239.42 9888.52,2084.74 10197.52,2084.74 10197.52,1417.24 355,1417.24 355,3311.41 5110,3311.41 5110,4370 10197.52,4370 10197.52,3970 9528.2,3970
DGND on Top Layer "DGND_L01_P005" (solid, remove dead copper, pour order 5): 5140.36,3306.21 5145.12,4370 340.22,4370 355.22,3306.21
DGND on Top Layer "DGND_L01_P003" (solid, remove dead copper, pour order 3): 355,1417.24 10197.52,1417.24 10197.52,2008.01 9315.43,2008.01 9315.43,2862.91 5943.98,2862.91 5943.98,4485 5135,4485 5115,4510 5115,3311.41 355,3311.41
DGND on Top Layer "DGND_L01_P009" (hatched Horizontal grid 50 track 10, pour order 9): 9423.81,3722.5 9423.81,4370 10073.49,4370 10197.52,4245.97 10197.52,1969.7 9061.57,1969.7 9061.57,2925.03 6333,2925.03 6333,3722.5
DGND on Top Layer "DGND_L01_P007" (solid, remove dead copper, pour order 7): 9426.82,4455 9426.82,3691.5 5943.98,3691.5 5943.98,4485 6336.99,4455

## Keep-outs
Keep-Out Layer:
  lines w5: 355,1567.24 ccw(c505,1567.24) 505,1417.24 10047.52,1417.24 ccw(c10047.52,1567.24) 10197.52,1567.24 10197.52,4220 ccw(c10047.52,4220) 10047.52,4370 505,4370 ccw(c505,4220) 355,4220 355,1567.24
  lines w10: 5140,1417.24 5472.76,1417.24

## Other copper
Top Layer:
  pour cut-out: 9648.03,3463.9 ccw(c9914.82,3463.9) 9914.82,3197.1 ccw(c9914.82,3463.9) 10181.62,3463.9 ccw(c9914.82,3463.9) 9914.82,3730.69 ccw(c9914.82,3463.9)
  pour cut-out: 9647.88,2626.89 ccw(c9914.67,2626.89) 9914.67,2360.09 ccw(c9914.67,2626.89) 10181.47,2626.89 ccw(c9914.67,2626.89) 9914.67,2893.68 ccw(c9914.67,2626.89)
  pour cut-out: 4980,3975 4993.11,3961.89 5115,3961.89 5115,3629.19 4992.08,3629.19 4992.08,3972.65 4990.67,3974.06
  pour cut-out: 6052.03,3321.75 6063.18,3310.61 6446.65,3310.61 6446.65,2661.83 6423.43,2638.6 6044.54,2638.6 6044.54,3332.23 6050.34,3338.02
  pour cut-out: 5609.45,4950.55 7500.55,4950.55 7500.55,4110 5609.45,4110
  pour cut-out: 6271.89,3835.47 6412.64,3835.47 6412.64,3691.5 6929.37,3691.5 6929.37,3356.39 6271.89,3356.39
  pour cut-out: 9113.28,3029.37 9223.28,3029.37 9223.28,2725.98 9113.28,2725.98
  pour cut-out: 8495.47,3025.94 8605.47,3025.94 8605.47,2722.55 8495.47,2722.55
  pour cut-out: 7879.83,3038.03 7989.83,3038.03 7989.83,2734.64 7879.83,2734.64
  pour cut-out: 7264.57,3035.27 7374.57,3035.27 7374.57,2731.88 7264.57,2731.88
  pour cut-out: 6598.99,3037.78 6708.99,3037.78 6708.99,2734.39 6598.99,2734.39
  pour cut-out: 2775.75,1616.5 2915.75,1616.5 2915.75,1506.5 2775.75,1506.5
  pour cut-out: 7575,1616.5 7715,1616.5 7715,1506.5 7575,1506.5
  pour cut-out: 3981.98,3029.86 4091.98,3029.86 4091.98,2726.47 3981.98,2726.47
  pour cut-out: 3365.55,3031.99 3475.55,3031.99 3475.55,2728.6 3365.55,2728.6
  pour cut-out: 2753.45,3034.92 2863.45,3034.92 2863.45,2731.53 2753.45,2731.53
  pour cut-out: 2142.14,3031.99 2252.14,3031.99 2252.14,2728.6 2142.14,2728.6
  pour cut-out: 1529.35,3031.99 1639.35,3031.99 1639.35,2728.6 1529.35,2728.6
  pour cut-out: 914.96,3031.99 1024.96,3031.99 1024.96,2728.6 914.96,2728.6
  pour cut-out: 1470,3885 1760,3885 1760,3585 1470,3585
  pour cut-out: 3289.7,4218.54 3814.7,4218.54 3814.7,3703.54 3289.7,3703.54
  text "String" at 1337.21,1503.99 h60
Bottom Layer:
  pour cut-out: 373.08,2960.58 ccw(c639.88,2960.58) 639.88,2693.78 ccw(c639.88,2960.58) 906.67,2960.58 ccw(c639.88,2960.58) 639.88,3227.37 ccw(c639.88,2960.58)
  pour cut-out: 9648.03,3463.9 ccw(c9914.82,3463.9) 9914.82,3197.1 ccw(c9914.82,3463.9) 10181.62,3463.9 ccw(c9914.82,3463.9) 9914.82,3730.69 ccw(c9914.82,3463.9)
  pour cut-out: 9647.88,2626.89 ccw(c9914.67,2626.89) 9914.67,2360.09 ccw(c9914.67,2626.89) 10181.47,2626.89 ccw(c9914.67,2626.89) 9914.67,2893.68 ccw(c9914.67,2626.89)
  pour cut-out: 5609.45,4950.55 7500.55,4950.55 7500.55,4110 5609.45,4110
  pour cut-out: 3290,4220 3815,4220 3815,3705 3290,3705
  pour cut-out: 1470,3885 1760,3885 1760,3585 1470,3585

## Silkscreen, mask and mechanical layers (free items; w line width, h text height)
Top Overlay:
  text "JLCJLCJLCJLC" at 6370.91,3920.91 h31.5
  text "TXD" at 7518.97,3653.08 h30
  text "RXD" at 7621.18,3653.08 h30
  text "DGND" at 7724.74,3653.08 h30
  text "V3.3" at 7862.28,3653.08 h30
Bottom Overlay:
  drawing of 12671 lines, arcs and shapes, not listed
Top Solder:
  text "Design by JimmyLin" at 833,1541.49 h60
Bottom Solder:
  drawing of 5667 lines, arcs and shapes, not listed

## Text inside footprints (layer, text, board x,y; h text height)
DETECT: Top Overlay "GND" at 5175,1940 h30 r90; Top Overlay "VCC" at 5405,1940 h30 r90; Top Overlay "OUT" at 5290,1945 h30 r90
J1: Top Overlay "k" at 9745,3855 h30 r180; Top Overlay "8" at 9695.02,3855 h30 r180; Top Overlay "7" at 9651.02,3855 h30 r180; Top Overlay "6" at 9609.02,3855 h30 r180; Top Overlay "5" at 9567.02,3855 h30 r180; Top Overlay "4" at 9525.02,3855 h30 r180; Top Overlay "3" at 9478.02,3855 h30 r180; Top Overlay "2" at 9436.02,3855 h30 r180; Top Overlay "1" at 9393.02,3855 h30 r180
U2: Mechanical 4 "ANTENNA" at 6329.97,4188.65 h73.82; Mechanical 4 "ANTENNA" at 6329.97,4188.65 h73.82